# Altium PCB Carrier-Board-DAC.PcbDoc (part 2 of 2)
Units mm, origin at the board's own origin, x right, y up, seen from the top; angles counter-clockwise.
Board outline 95 x 270 mm, 4 copper layers (Top Layer, VCC, GND, Bottom Layer), stack 1.62 mm thick; 158 components, 91 nets, 469 pads, 603 vias.
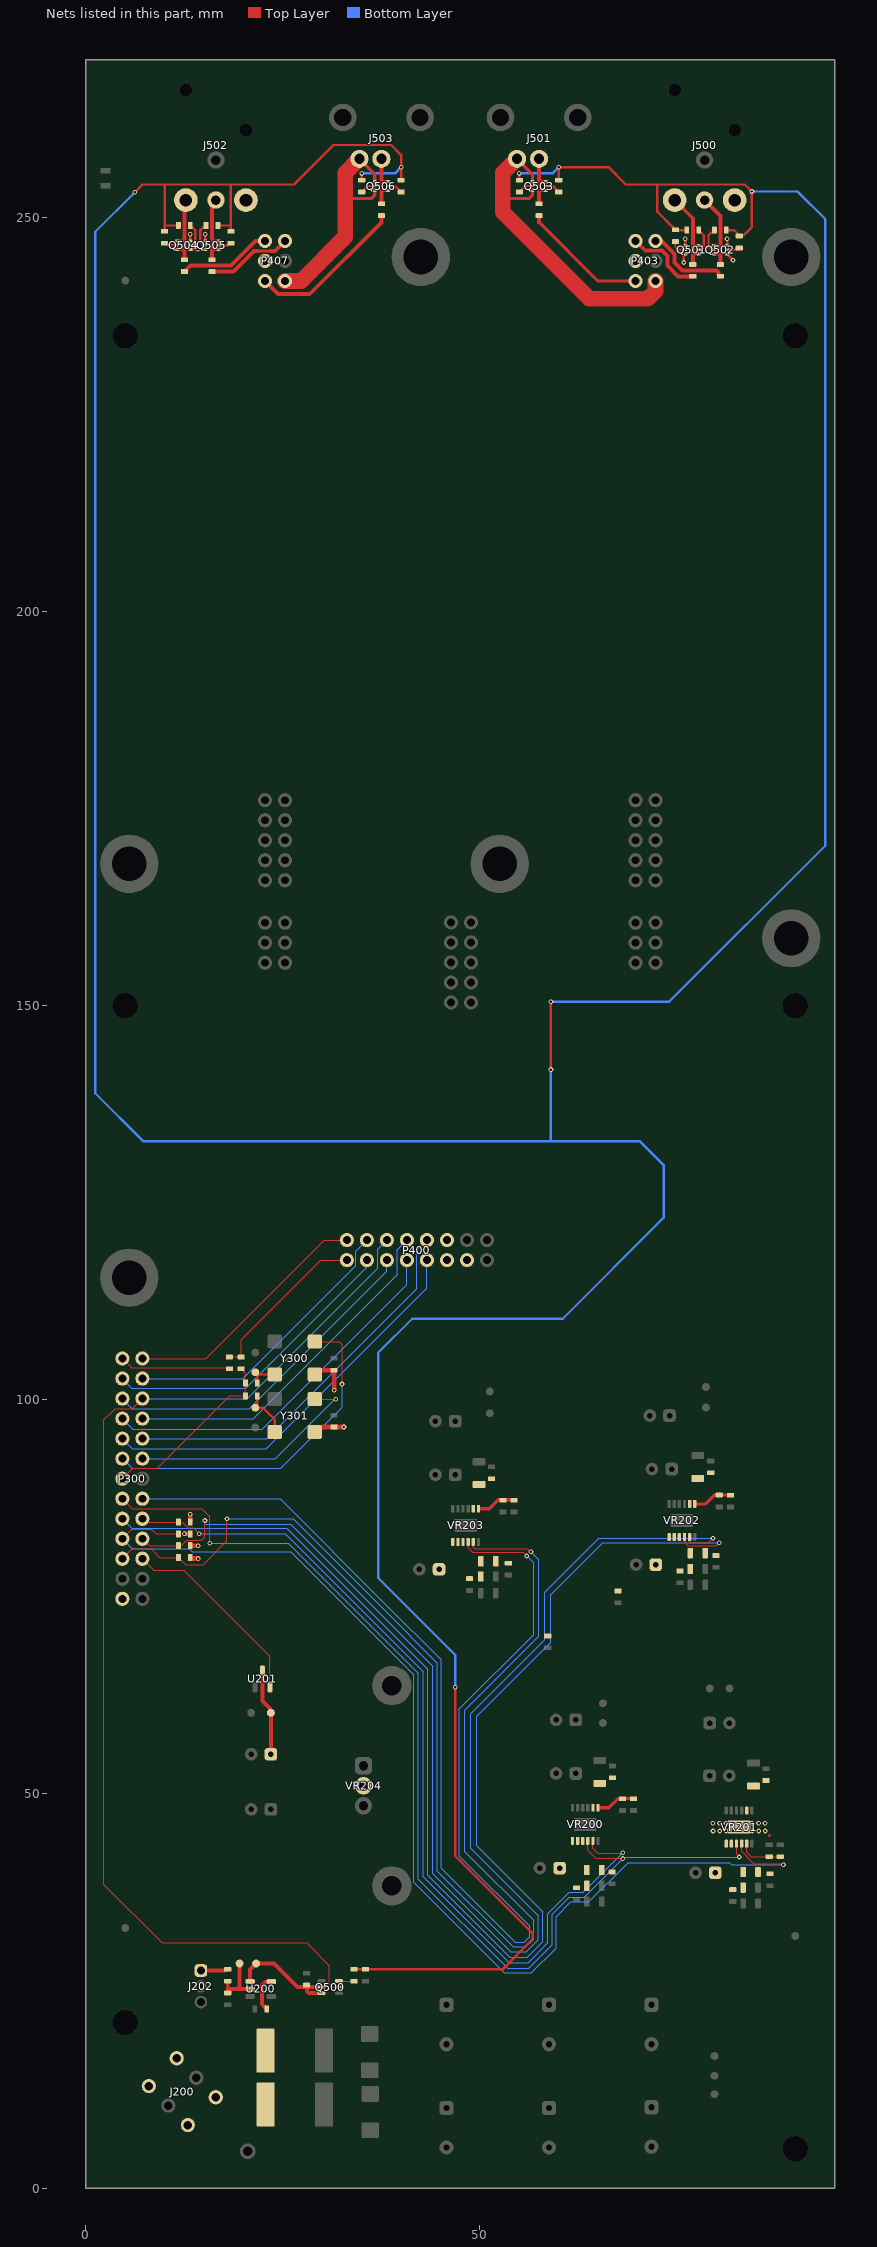
[diagram p4: the nets of this part, all layers, seen from the top]

## Via types
v1: diameter 0.6, hole 0.3, Top Layer to Bottom Layer, tented both sides, 433 vias
v2: diameter 0.6, hole 0.3, Top Layer to Bottom Layer, 170 vias

## Nets (pads, with @x,y where several pads share a name; then routed paths per layer and width w, separated by ;. In a path a pad name is that pad's centre, name@x,y a point inside that pad or via, vN(x,y) a via of type N, cw(c..) or ccw(c..) an arc to the next point about the centre after c; other vN are vias at no path point) (continued)
D+3.3V: C235.P C300.1 C301.1 P300.25 P400.11 P400.12 P400.13 R205.2 R212.2 R220.2 R226.2 TP212.1 U201.3 VR204.2 Y300.4 Y301.4 | length 24
  Top Layer w0.5: U201.3@22.4,65.65 22.4,61.8 23.379,60.821 23.379,60.39 TP212.1@23.475,60.295 C235.P@23.475,55.045
  Top Layer w0.6: v1(12.5,83) R212.2@13.25,83 ; R226.2@13.25,79.863 v1(14.25,79.863) ; R220.2@13.25,81.5 v1(14.25,81.5) ; R205.2@13.25,84.5 v1(13.25,85.5) ; Y301.4@29.04,95.905 29.64,96.505 29.936,96.505 29.991,96.56 C301.1@31.5,96.56 v1(32.74,96.56) ; Y300.4@29.048,103.215 29.599,103.765 C300.1@31.5,103.765 v1(31.5,101.22)
D\A\C\_\R\S\T\: P300.5 P400.5 | length 42.7
  Bottom Layer w0.15: P300.5@4.63,100.16 5.89,98.9 20.74,98.9 38.19,116.35 P400.5@38.19,117.73
DAC_BCLK: P300.2 P400.2 | length 32.2
  Top Layer w0.15: P300.2@7.17,105.24 15.24,105.24 30.27,120.27 P400.2@33.11,120.27
DAC_CS: P300.10 P400.10 | length 49.4
  Bottom Layer w0.15: P300.10@7.17,95.08 22.98,95.08 42,114.1 42,119 P400.10@43.27,120.27
DAC_LRCLK: P300.3 P400.3 | length 38.8
  Bottom Layer w0.15: P300.3@4.63,102.7 5.83,101.5 20.3,101.5 35.65,116.85 P400.3@35.65,117.73
DAC_MCLK: P300.1 R303.2 | length 14.1
  Top Layer w0.15: P300.1@4.63,105.24 5.81,104.06 R303.2@18.2,104.06
DAC_MISO: P300.9 P400.9 | length 51.2
  Bottom Layer w0.15: P300.9@4.63,95.08 5.91,93.8 22.9,93.8 43.27,114.17 P400.9@43.27,117.73
DAC_MUTE: P300.6 P400.6 Q500.2 | length 142.2
  Top Layer w0.15: P300.6@7.17,100.16 5.91,98.9 3.7,98.9 2.3,97.5 2.3,38.5 9.7,31.1 28,31.1 30.9,28.2 30.9,25.9 31.3,25.5 Q500.2@32.1,25.5
  Bottom Layer w0.15: P300.6@7.17,100.16 20.46,100.16 37,116.7 37,119.08 P400.6@38.19,120.27
DAC_SCL_SCLK: P300.7 P400.7 | length 47.3
  Bottom Layer w0.15: P300.7@4.63,97.62 5.95,96.3 22.4,96.3 40.73,114.63 P400.7@40.73,117.73
DAC_SDA_MOSI: P300.8 P400.8 | length 44.8
  Bottom Layer w0.15: P300.8@7.17,97.62 21.22,97.62 39.5,115.9 39.5,119.04 P400.8@40.73,120.27
DAC_SDATA: P300.4 P400.4 | length 36.8
  Bottom Layer w0.15: P300.4@7.17,102.7 19.9,102.7 34.235,117.035 34.235,118.855 P400.4@35.65,120.27
EXT_MUTE: C500.1 R501.1 R504.1 R505.1 R506.1 R507.1 R509.1 R510.1 R513.1 R514.1 R515.1 R516.1 R518.1 R519.1 | length 612
  Top Layer w0.3: v1(6.2,253.2) 7.2,254.2 10,254.2 ; R514.1@10,248.25 10,249 ; R513.1@11.75,249 10,249 ; R515.1@16.75,249 18.4,249 ; R516.1@18.4,248.25 18.4,249 ; R501.1@34,27.75 C500.1@35.5,27.75 52.85,27.75 56.7,31.6 56.7,32.3 46.875,42.125 v1(46.875,63.55) ; R518.1@35,254.75 v1(35,255.6) ; R519.1@40,254.75 40,257.95 38.75,259.2 31.4,259.2 26.4,254.2 18.4,254.2 ; R510.1@55,254.75 v1(55,255.6) ; v1(59,141.9) v1(59,150.5) ; R509.1@60,254.75 v1(60,256.4) 66.3,256.4 68.5,254.2 72.5,254.2 ; R504.1@74.8,248.4 R505.1@76.25,248.4 ; R504.1@74.8,248.45 74.65,248.45 74.5,248.6 74.5,248.75 72.5,250.75 72.5,254.2 ; R507.1@81.25,248.4 82.25,248.4 82.7,247.95 82.7,247.8 82.85,247.65 R506.1@82.9,247.65 83.046,247.796 83.496,247.796 84.5,248.8 v1(84.5,253.3) 83.6,254.2 72.5,254.2 ; 10,249 10,254.2 ; 10,254.2 18.4,254.2 ; 18.4,249 18.4,254.2
  Bottom Layer w0.3: v1(6.2,253.2) 1.2,248.2 1.2,138.9 7.3,132.8 59,132.8 ; v1(35,255.6) 39.2,255.6 v1(40,256.4) ; v1(46.875,63.55) 46.875,67.625 37.1,77.4 37.1,106 41.4,110.3 60.5,110.3 73.3,123.1 73.3,129.8 70.3,132.8 59,132.8 ; v1(55,255.6) 59.2,255.6 v1(60,256.4) ; v1(59,141.9) 59,132.8 ; v1(59,150.5) 74,150.5 93.8,170.3 93.8,249.8 90.3,253.3 v1(84.5,253.3)
NetC200_P: C200.P C202.2 C203.2 FB200.2 VR200.1 VR200.2 VR200.3
NetC203_1: C203.1 R204.2
NetC206_1: C206.1 R201.1 VR200.8
NetC213_P: C213.P C215.2 C216.2 FB201.2 VR201.1 VR201.2 VR201.13 | length 0.6
  Top Layer w0.3: 86.7,44.7 86.8,44.8
  Top Layer w0.4: VR201.13@82.875,45.8 VR201.13@83.2,46.125
  other v2: 79.575,45.3 80.425,45.3 81.25,45.3 82.075,45.3 82.9,45.3 83.725,45.3 84.55,45.3 85.375,45.3 86.2,45.3 79.55,46.3 80.4,46.3 81.225,46.3 82.05,46.3 82.875,46.3 83.7,46.3 84.525,46.3 85.35,46.3 86.175,46.3
NetC216_1: C216.1 R211.2
NetC219_1: C219.1 R210.1 VR201.8 | length 0.1
  Top Layer w0.15: VR201.8@83.85,47.922 VR201.8@83.9,47.972
NetC220_2: C220.2 U200.5 | length 4.8
  Top Layer w0.5: C220.2@22.94,22.72 22.94,22.87 22.89,22.92 22.74,22.92 22.34,23.32 22.34,25.74 22.76,26.16 23.49,26.16 U200.5@23.54,26.21
NetC221_P: C221.P C223.2 C224.2 FB202.2 R215.2 VR202.1 VR202.2 VR202.3
NetC224_1: C224.1 R219.2
NetC227_1: C227.1 R217.1 VR202.8
NetC228_P: C228.P C230.2 C231.2 FB203.2 R221.2 VR203.1 VR203.2 VR203.3
NetC231_1: C231.1 R225.2
NetC236_1: C236.1 R223.1 VR203.8
NetJ200_1: J200.1 R203.1
NetJ200_3: J200.3 R206.1
NetJ202_1: J202.1 R213.2 | length 3.5
  Top Layer w0.5: J202.1@14.59,27.6 17.7,27.6 17.85,27.75 R213.2@18,27.75
NetJ500_2: J500.2 Q501.1 Q501.3 R502.1 | length 10.6
  Top Layer w0.3: 77,245.363 Q501.1@77.75,245.363 ; 77,246.438 Q501.3@77.75,246.438
  Top Layer w0.5: J500.2@74.69,252.22 77,249.91 77,246.438 77,245.363 R502.1@77,244.05
NetJ500_3: J500.3 Q502.4 Q502.6 R503.1 | length 10.5
  Top Layer w0.3: Q502.6@79.752,245.363 80.503,245.363 ; Q502.4@79.752,246.438 80.503,246.438
  Top Layer w0.5: J500.3@78.5,252.22 80.503,250.218 80.503,246.438 80.503,245.363 R503.1@80.503,244.05
NetJ501_1: J501.1 Q503.1 Q503.3 R508.1 | length 7.4
  Top Layer w0.4: 57.5,253.462 Q503.1@58.35,253.463 ; 57.563,254.537 Q503.3@58.35,254.538
  Top Layer w0.5: R508.1@57.5,251.75 57.5,253.462 57.5,254.6 ; J501.1@57.5,257.45 57.5,254.6 ; 57.563,254.537 57.5,254.6
NetJ502_2: J502.2 Q504.4 Q504.6 R511.1 | length 9.6
  Top Layer w0.3: 12.462,245.963 12.5,246 ; J502.2@12.5,252.03 J502.2@12.69,252.22
  Top Layer w0.4: Q504.6@11.55,245.963 12.462,245.963 ; Q504.4@11.55,247.037 12.5,247.037
  Top Layer w0.5: R511.1@12.5,244.65 12.5,246 12.5,247.037 J502.2@12.5,252.03
NetJ502_3: J502.3 Q505.1 Q505.3 R512.1 | length 9.5
  Top Layer w0.3: 16,247.04 16.003,247.037 ; 16,251.206 16.5,251.706 J502.3@16.5,252.22
  Top Layer w0.4: 16,245.963 Q505.1@16.85,245.963 ; 16.003,247.037 Q505.3@16.85,247.037
  Top Layer w0.5: R512.1@16,244.65 16,245.963 16,247.04 16,251.206
NetJ503_1: J503.1 Q506.4 Q506.6 R517.1 | length 7.4
  Top Layer w0.4: 37.5,253.462 Q506.4@38.35,253.462 ; 37.563,254.537 Q506.6@38.35,254.537
  Top Layer w0.5: R517.1@37.5,251.75 37.5,253.462 37.5,254.6 ; J503.1@37.5,257.45 37.5,254.6 ; 37.563,254.537 37.5,254.6
NetP400_1: P400.1 R302.2 R303.1 | length 21.3
  Top Layer w0.15: R303.1@18.2,105.45 R302.2@19.7,105.45 19.7,107.6 29.83,117.73 P400.1@33.11,117.73
NetQ500_3: Q500.3 R501.2 | length 1.9
  Top Layer w0.15: Q500.3@32.1,26.25 R501.2@34,26.25
NetQ500_5: Q500.5 Q500.6 R500.1 TP208.1 U200.1 | length 14.9
  Top Layer w0.5: U200.1@20.84,26.21 20.84,27.74 TP208.1@21.6,28.5 23.86,28.5 26.86,25.5 R500.1@28.03,25.5 ; R500.1@28,25.75 28.03,25.72 R500.1@28.03,25.5 ; Q500.6@29.9,24.75 28.293,24.75 28.03,25.013 R500.1@28.03,25.5 ; Q500.5@29.9,25.5 R500.1@28.03,25.5
NetQ501_2: Q501.2 R505.2 | length 3.2
  Top Layer w0.3: R505.2@77.75,248.25 77.9,248.1 78.05,248.1 78.4,247.75 78.4,246.272 78.028,245.9 Q501.2@77.825,245.9 ; R505.2@77.75,248.45 R505.2@77.75,248.6
NetQ501_5: Q501.5 R504.2 | length 2
  Top Layer w0.3: R504.2@74.8,246.95 74.8,246.272 75.172,245.9 Q501.5@75.975,245.9
NetQ502_2: Q502.2 R506.2 | length 1.6
  Top Layer w0.3: Q502.2@81.525,245.9 82.6,245.9 82.85,246.15 R506.2@83,246.15
NetQ502_5: Q502.5 R507.2 | length 3.4
  Top Layer w0.3: Q502.5@79.575,245.9 79.4,245.9 79.362,245.938 79.334,245.938 79,246.272 79,247.75 79.35,248.1 79.5,248.1 79.65,248.25 R507.2@79.65,248.4 ; R507.2@79.752,248.45 R507.2@79.752,248.6
NetQ503_2: Q503.2 R509.2 | length 1.9
  Top Layer w0.3: Q503.2@58.425,254 59.25,254 R509.2@60,253.25
NetQ503_5: Q503.5 R510.2 | length 1.9
  Top Layer w0.3: R510.2@55,253.25 55.75,254 Q503.5@56.575,254
NetQ504_2: Q504.2 R513.2 | length 3.2
  Top Layer w0.3: R513.2@13.25,249 13.25,248.85 13.4,248.7 13.55,248.7 13.9,248.35 13.9,246.872 13.566,246.538 13.538,246.538 13.5,246.5 Q504.2@13.325,246.5
NetQ504_5: Q504.5 R514.2 | length 1.6
  Top Layer w0.3: R514.2@10,246.75 10.15,246.75 10.4,246.5 Q504.5@11.475,246.5
NetQ505_2: Q505.2 R516.2 | length 1.6
  Top Layer w0.3: Q505.2@17.025,246.5 18.1,246.5 18.35,246.75 R516.2@18.5,246.75
NetQ505_5: Q505.5 R515.2 | length 3.2
  Top Layer w0.3: Q505.5@15.075,246.5 14.9,246.5 14.862,246.538 14.834,246.538 14.5,246.872 14.5,248.35 14.85,248.7 15,248.7 15.15,248.85 R515.2@15.15,249
NetQ506_2: Q506.2 R518.2 | length 1.9
  Top Layer w0.3: R518.2@35,253.25 35.75,254 Q506.2@36.575,254
NetQ506_5: Q506.5 R519.2 | length 1.9
  Top Layer w0.3: Q506.5@38.425,254 39.25,254 R519.2@40,253.25
NetR200_1: R200.1 R202.2 VR200.7 | length 5
  Top Layer w0.4: VR200.7@64.986,48.259 66.359,48.259 67.505,49.405 R202.2@68.1,49.405 R200.1@69.5,49.405
NetR208_2: R208.2 R209.1 VR201.5 | length 5.6
  Top Layer w0.15: VR201.5@83.85,43.694 83.85,42.589 84.389,42.05 R208.2@86.7,42.05 R209.1@88.1,42.05
NetR213_1: R213.1 R214.2 TP207.1 U200.2 | length 8.1
  Top Layer w0.5: R213.1@18,26.25 R214.2@18,24.75 18.15,24.75 18.2,24.8 18.2,25.26 19.52,25.26 ; TP207.1@19.5,28.5 19.5,25.28 19.52,25.26 ; U200.2@20.84,25.26 19.52,25.26
NetR216_1: R216.1 R218.2 VR202.7 | length 5
  Top Layer w0.4: VR202.7@77.25,86.806 78.622,86.806 79.769,87.952 80.364,87.952 R216.1@81.764,87.952
NetR222_1: R222.1 R224.2 VR203.7 | length 5
  Top Layer w0.4: VR203.7@49.807,86.19 51.179,86.19 52.326,87.337 52.921,87.337 R222.1@54.321,87.337
NetR300_1: R300.1 TP300.1 Y300.3 | length 4
  Top Layer w0.3: R300.1@21.75,102.16 21.75,103.061 21.5,103.311 TP300.1@21.5,103.5 21.689,103.5 21.974,103.215 Y300.3@23.968,103.215
NetR301_1: R301.1 TP302.1 Y301.3 | length 6
  Top Layer w0.3: R301.1@21.75,100.5 21.75,99.439 21.634,99.323 21.634,99.116 21.75,99 22.46,99 23.96,97.5 Y301.3@23.96,95.905
PS_A12V_EN: P300.15 VR200.4 VR201.3 | length 136.2
  Top Layer w0.15: P300.15@4.63,87.46 5.89,86.2 14.7,86.2 15.7,85.2 v1(15.7,81.8) ; VR200.4@63.686,44.048 63.686,42.86 64.697,41.85 68.05,41.85 v1(68.1,41.8) ; VR201.3@82.55,43.694 82.55,42.35 v1(82.9,42)
  Bottom Layer w0.15: v1(15.7,81.8) 25.7,81.8 35.4,72.1 42.2,65.3 42.2,39.2 53.5,27.9 56.2,27.9 59.16,30.86 59.16,34.742 61.318,36.9 63.2,36.9 v1(68.1,41.8) 68.213,41.8 68.413,42 v1(82.9,42)
PS_A+3.3V_EN: P300.16 VR203.4 | length 153.1
  Top Layer w0.15: VR203.4@48.507,81.979 48.507,81.241 49.089,80.659 55.47,80.659 v1(55.935,80.194) v1@55.935,80.265
  Bottom Layer w0.15: P300.16@7.17,87.46 24.64,87.46 38,74.1 45.1,67 45.1,40.6 54.5,31.2 55.6,31.2 56.3,31.9 56.3,33.2 47.4,42.1 47.4,60.8 56.8,70.2 56.8,79.329 v1(55.935,80.194)
PS_A+3.3V_PG: P300.21 R226.1 VR203.5 | length 161.3
  Top Layer w0.15: P300.21@4.63,79.84 5.89,81.1 8.3,81.1 9.4,80 R226.1@11.75,80 11.75,79.863 11.975,79.638 12.112,79.638 12.65,79.1 14.9,79.1 17.9,82.1 v1(17.9,84.92) ; VR203.5@49.157,81.979 49.157,81.309 49.366,81.1 56.019,81.1 56.395,80.724 v1(56.465,80.724)
  Bottom Layer w0.15: v1(17.9,84.92) 26.28,84.92 37.58,73.62 44.6,66.6 44.6,40.2 54.2,30.6 55.8,30.6 56.8,31.6 56.8,34 48.1,42.7 48.1,60.65 57.45,70 57.45,79.74 v1(56.465,80.724)
PS_A+5V_EN: P300.17 VR202.4 | length 173.3
  Top Layer w0.15: VR202.4@75.95,82.595 75.95,81.939 76.389,81.5 79.994,81.5 v1(80.364,81.869)
  Bottom Layer w0.15: P300.17@4.63,84.92 5.85,83.7 25.5,83.7 36.35,72.85 43.4,65.8 43.4,39.7 53.8,29.3 56,29.3 57.95,31.25 57.95,35.05 49.6,43.4 49.6,59.839 59,69.239 59,75.3 65.569,81.869 v1(80.364,81.869)
PS_A+5V_PG: P300.20 R220.1 VR202.5 | length 171.6
  Top Layer w0.15: P300.20@7.17,82.38 8.05,81.5 R220.1@11.75,81.5 11.837,81.587 12.187,81.587 12.8,82.2 14.72,82.2 15.1,82.58 v1(15.1,84.7) ; VR202.5@76.6,82.595 76.636,82.558 76.636,81.964 76.73,81.869 78.993,81.869 v1(79.564,82.44)
  Bottom Layer w0.15: v1(15.1,84.7) 15.1,84.3 15.2,84.2 26,84.2 36.85,73.35 44,66.2 44,39.9 53.9,30 55.9,30 57.4,31.5 57.4,34.539 48.85,43.089 48.85,60.15 58.25,69.55 58.25,75.611 65.079,82.44 v1(79.564,82.44)
PS_A+12V_PG: P300.18 R205.1 VR200.5 | length 112.4
  Top Layer w0.15: P300.18@7.17,84.92 7.616,84.92 8.036,84.5 R205.1@11.75,84.5 12.226,84.5 12.926,83.8 13.6,83.8 v1(14.4,83) ; VR200.5@64.336,44.048 64.336,43.129 64.966,42.5 68.05,42.5 v1(68.1,42.55)
  Bottom Layer w0.15: v1(14.4,83) 25.3,83 42.8,65.5 42.8,39.5 53.7,28.6 56.1,28.6 58.6,31.1 58.6,34.832 61.318,37.55 63.1,37.55 v1(68.1,42.55)
PS_A-12V_PG: P300.19 R212.1 VR201.4 | length 145.2
  Top Layer w0.15: P300.19@4.63,82.38 5.85,83.6 8.3,83.6 8.9,83 R212.1@11.75,83 ; VR201.4@83.2,43.694 83.2,42.706 84.756,41.15 88.356,41.15 v1(88.5,41.006)
  Bottom Layer w0.15: P300.19@4.63,82.38 5.91,81.1 13.1,81.1 13.5,80.7 26,80.7 41.6,65.1 41.6,38.8 53.1,27.3 56.5,27.3 59.65,30.45 59.65,34.45 61.5,36.3 63.811,36.3 68.811,41.3 81.65,41.3 81.944,41.006 v1(88.5,41.006)
PS_D+3.3V_PG: P300.22 U201.2 | length 25.2
  Top Layer w0.15: P300.22@7.17,79.84 8.61,78.4 12.4,78.4 23.35,67.45 U201.2@23.35,63.55
RCA1_GND: J501.2 P403.6 Q503.4 Q503.6 | length 41.4
  Top Layer w0.4: 52.9,252.4 56.2,252.4 56.65,252.85 Q503.6@56.65,253.463 ; J501.2@54.7,257.45 56.65,255.5 Q503.4@56.65,254.538
  Top Layer w2: J501.2@54.7,257.45 52.9,255.65 52.9,252.4 52.9,250.7 63.9,239.7 71.3,239.7 72.27,240.67 P403.6@72.27,241.96
RCA1_S: P403.5 R508.2 | length 16.2
  Top Layer w0.4: 57.5,249.4 64.94,241.96 P403.5@69.73,241.96
  Top Layer w0.5: 57.5,249.4 R508.2@57.5,250.25
RCA2_GND: J503.2 P407.6 Q506.1 Q506.3 | length 28.9
  Top Layer w0.4: 32.9,252.4 36.2,252.4 36.65,252.85 Q506.3@36.65,253.462 ; J503.2@34.7,257.45 36.65,255.5 Q506.1@36.65,254.537
  Top Layer w2: P407.6@25.27,241.96 27.31,241.96 32.9,247.55 32.9,252.4 32.9,255.65 J503.2@34.7,257.45
RCA2_S: P407.5 R517.2 | length 20.1
  Top Layer w0.5: P407.5@22.73,241.96 24.39,240.3 28.4,240.3 37.5,249.4 R517.2@37.5,250.25
REF_CLK: P300.13 R300.2 R301.2 R302.1 | length 23.7
  Top Layer w0.15: P300.13@4.63,90 5.93,91.3 9.073,91.3 18.273,100.5 R301.2@20.25,100.5 R300.2@20.25,102.16 20.25,103.4 20.062,103.588 20.062,103.725 19.837,103.95 R302.1@19.7,103.95
REF_CLK_EN_1: P300.11 Y300.1 | length 43.2
  Top Layer w0.15: Y300.1@29.048,107.405 32.16,107.405 32.5,107.065 v1(32.5,102)
  Bottom Layer w0.15: P300.11@4.63,92.54 5.87,91.3 24.75,91.3 32.5,99.05 v1(32.5,102)
REF_CLK_EN_2: P300.12 Y301.1 | length 30.3
  Top Layer w0.15: Y301.1@29.04,100.095 v1(31.7,100.095)
  Bottom Layer w0.15: P300.12@7.17,92.54 24.04,92.54 31.595,100.095 v1(31.7,100.095)
XLR1_GND: J500.1 P403.3 Q501.4 Q501.6 Q502.1 Q502.3 | length 3.9
  Top Layer w0.3: v1(75.863,244.3) 75.863,245.175 Q501.6@76.05,245.363 ; Q501.4@76.05,246.438 v1(76.05,247.3) ; Q502.1@81.35,245.363 v1@82.1,244.613 ; Q502.3@81.35,246.438 v1(81.35,247.3)
  other v1: 82.1,244.6
XLR1_N: P403.2 R503.2 | length 10.7
  Top Layer w0.5: P403.2@72.5,246.95 73.122,246.95 74.69,245.382 74.69,244.31 75.7,243.3 80,243.3 80.254,243.046 80.254,242.7 80.404,242.55 R503.2@80.5,242.55
XLR1_P: P403.1 R502.2 | length 9.8
  Top Layer w0.4: 71.7,245.8 71.71,245.79 72.788,245.79 72.798,245.8 72.8,245.8
  Top Layer w0.5: P403.1@69.73,247.04 70.97,245.8 71.7,245.8 ; 72.8,245.8 73.1,245.8 73.8,245.1 73.8,243.9 75.15,242.55 R502.2@77,242.55
XLR2_GND: J502.1 P407.3 Q504.1 Q504.3 Q505.4 Q505.6 | length 3.6
  Top Layer w0.3: Q504.1@13.25,245.963 Q505.6@15.15,245.963 ; Q504.3@13.25,247.037 v1(13.25,247.9) ; Q505.4@15.15,247.037 v1(15.15,247.9)
  other v1: 14.2,246
XLR2_N: P407.2 R512.2 | length 10.9
  Top Layer w0.4: 21.9,245.75 23.4,245.75
  Top Layer w0.5: R512.2@16,243.15 18.75,243.15 21.35,245.75 21.9,245.75 ; 23.4,245.75 23.98,245.75 P407.2@25.27,247.04
XLR2_P: P407.1 R511.2 | length 11.9
  Top Layer w0.5: R511.2@12.5,243.15 12.65,243.15 12.8,243.3 12.8,243.45 13.25,243.9 18.4,243.9 21.54,247.04 P407.1@22.73,247.04
pads on no net: FD100. FD101. FD102. J202.3 J500. J501.0 J502. J503.0 P300.14 P300.23 P300.24 U200.4 VR201.7

## Polygon pours and split planes (outlines as drawn)
AGND on Top Layer "Top Layer-AGND" (solid, remove dead copper, pour order 2): 0,270 95,270 95,0 0,0
CHGND on Top Layer "Top Layer-CHGND" (solid, remove dead copper, pour order 14): 0,270 95,270 95,255 0,255
no net on Top Layer "Top Layer-No Net" (solid, pour order 8): -10.54,233.6
no net on Top Layer "Top Layer-No Net 1" (solid, pour order 6): -10.4,233.738
CHGND on Bottom Layer "Bottom Layer-CHGND" (solid, remove dead copper, pour order 16): 95,270 95,255 0,255 0,270
AGND on Bottom Layer "Bottom Layer-AGND" (solid, remove dead copper, pour order 4): 0,270 95,270 95,0 0,0
D+3.3V on VCC (split plane): 72.248,129.396 72.248,123.604 59.896,111.252 41.004,111.252 40.939,111.244 40.896,111.226 40.878,111.218 40.856,111.201 40.826,111.178 36.122,106.474 36.082,106.422 36.056,106.361 36.048,106.296 36.048,76.9 36.056,76.835 36.082,76.774 36.122,76.722 45.548,67.296 45.548,50.052 29.204,50.052 27.578,51.678 27.526,51.718 27.465,51.744 27.4,51.752 17.699,51.752 17.666,51.748 17.634,51.752 0.51,51.752 0.51,131.748 69.896,131.748
+15V on VCC (split plane): 82.148,75.052 66.4,75.052 66.335,75.044 66.274,75.018 66.222,74.978 55.422,64.178 55.382,64.126 55.356,64.065 55.348,64 55.348,50.8 55.356,50.735 55.382,50.674 55.422,50.622 60.043,46 60.096,45.96 60.156,45.935 60.222,45.926 69.078,45.926 69.144,45.935 69.204,45.96 69.257,46 70.604,47.348 71.891,47.348 75.048,44.191 75.048,38.5 75.056,38.435 75.082,38.374 75.122,38.322 82.566,30.877 82.566,16.323 80.496,14.252 14,14.252 13.935,14.244 13.874,14.218 13.844,14.196 13.822,14.178 0.51,0.867 0.51,51.248 17.634,51.248 17.666,51.252 17.699,51.248 27.296,51.248 28.922,49.622 28.944,49.604 28.974,49.582 29.035,49.556 29.1,49.548 45.548,49.548 45.548,41.8 45.556,41.735 45.582,41.674 45.622,41.622 55.122,32.122 55.174,32.082 55.235,32.056 55.3,32.048 55.365,32.056 55.426,32.082 55.478,32.122 55.518,32.174 55.544,32.235 55.552,32.3 55.544,32.365 55.518,32.426 55.478,32.478 46.052,41.904 46.052,49.8 46.052,67.4 46.044,67.465 46.018,67.526 45.978,67.578 36.552,77.004 36.552,83.948 82.148,83.948
A-12V on VCC (split plane): 23.748,180.104 20.322,176.678 20.282,176.626 20.256,176.565 20.248,176.5 20.248,170.782 20.256,170.716 20.282,170.656 20.322,170.603 22.643,168.282 22.696,168.242 22.756,168.216 22.822,168.208 25.166,168.208 26.748,166.626 26.748,162.252 0.51,162.252 0.51,254.498 23.748,254.498
A+3.3V on VCC (split plane): 42.248,157.896 42.248,153 42.256,152.935 42.282,152.874 42.322,152.822 42.374,152.782 42.435,152.756 42.5,152.748 48.896,152.748 57.322,144.322 57.344,144.304 57.374,144.282 57.435,144.256 57.5,144.248 71.896,144.248 81.748,134.396 81.748,116.304 62.722,97.278 62.682,97.226 62.656,97.165 62.648,97.1 62.648,84.452 36.552,84.452 36.552,106.191 41.109,110.748 60,110.748 60.065,110.756 60.126,110.782 60.178,110.822 72.678,123.322 72.718,123.374 72.744,123.435 72.752,123.5 72.752,129.5 72.744,129.565 72.726,129.608 72.718,129.626 72.701,129.649 72.678,129.678 70.178,132.178 70.126,132.218 70.065,132.244 70,132.252 0.51,132.252 0.51,161.748 38.396,161.748
CHGND on VCC (split plane): 94.49,255.502 69.208,255.502 64.355,260.355 64.279,260.418 64.192,260.464 64.098,260.493 64,260.502 31,260.502 30.902,260.493 30.808,260.464 30.721,260.418 30.645,260.355 25.792,255.502 0.51,255.502 0.51,269.49 94.49,269.49
A+12V on VCC (split plane): 82.148,66.552 77.2,66.552 77.135,66.544 77.074,66.518 77.022,66.478 70.322,59.778 70.282,59.726 70.256,59.665 70.248,59.6 70.248,47.704 68.974,46.43 60.326,46.43 55.852,50.904 55.852,63.896 66.504,74.548 82.148,74.548
-15V on VCC (split plane): 94.49,0.51 0.867,0.51 14.104,13.748 80.6,13.748 80.665,13.756 80.726,13.782 80.778,13.822 82.997,16.04 83.014,16.063 83.037,16.092 83.062,16.153 83.071,16.218 83.071,30.982 83.062,31.047 83.044,31.09 83.037,31.108 83.019,31.13 82.997,31.16 75.552,38.604 75.552,44.191 76.909,45.548 94.49,45.548
A-12V on VCC (split plane): 94.49,46.052 76.804,46.052 76.739,46.044 76.696,46.026 76.678,46.018 76.656,46.001 76.626,45.978 75.3,44.652 72.174,47.778 72.122,47.818 72.061,47.844 71.996,47.852 70.752,47.852 70.752,59.496 77.304,66.048 94.49,66.048
A+12V on VCC (split plane): 68.645,254.645 68.721,254.582 68.808,254.536 68.902,254.507 69,254.498 70.748,254.498 70.748,180 70.756,179.935 70.782,179.874 70.822,179.822 74.248,176.396 74.248,170.886 72.074,168.712 69.73,168.712 69.665,168.704 69.604,168.678 69.552,168.638 67.822,166.908 67.782,166.856 67.756,166.795 67.748,166.73 67.748,162.282 61.95,162.282 61.885,162.274 61.824,162.249 61.772,162.209 57.816,158.252 42.604,158.252 38.678,162.178 38.626,162.218 38.565,162.244 38.5,162.252 27.252,162.252 27.252,166.73 27.244,166.795 27.218,166.856 27.178,166.908 25.448,168.638 25.396,168.678 25.335,168.704 25.27,168.712 22.926,168.712 20.752,170.886 20.752,176.396 24.178,179.822 24.218,179.874 24.244,179.935 24.252,180 24.252,254.498 26,254.498 26.098,254.507 26.192,254.536 26.279,254.582 26.355,254.645 31.208,259.498 46.998,259.498 46.998,165 47.007,164.902 47.036,164.808 47.082,164.721 47.145,164.645 47.221,164.582 47.308,164.536 47.402,164.507 47.5,164.498 47.598,164.507 47.692,164.536 47.779,164.582 47.855,164.645 47.918,164.721 47.964,164.808 47.993,164.902 48.002,165 48.002,259.498 63.792,259.498
A+5V on VCC (split plane): 94.49,66.552 82.652,66.552 82.652,74.8 82.652,84.2 82.644,84.265 82.618,84.326 82.578,84.378 82.526,84.418 82.465,84.444 82.4,84.452 63.152,84.452 63.152,96.996 82.178,116.022 82.218,116.074 82.244,116.135 82.252,116.2 82.252,134.5 82.244,134.565 82.226,134.608 82.218,134.626 82.201,134.649 82.178,134.678 72.178,144.678 72.126,144.718 72.065,144.744 72,144.752 57.604,144.752 49.178,153.178 49.126,153.218 49.065,153.244 49,153.252 42.752,153.252 42.752,157.748 57.92,157.748 57.985,157.756 58.046,157.782 58.098,157.822 62.055,161.778 94.49,161.778
A-12V on VCC (split plane): 94.49,162.282 68.252,162.282 68.252,166.626 69.834,168.208 72.178,168.208 72.244,168.216 72.304,168.242 72.357,168.282 74.678,170.603 74.718,170.656 74.744,170.716 74.752,170.782 74.752,176.5 74.744,176.565 74.718,176.626 74.678,176.678 71.252,180.104 71.252,254.498 94.49,254.498
AGND on GND (split plane): 162 vertices, not listed, extent 0.51,0.51 94.49,259.498
CHGND on GND (split plane): 94.49,255.502 69.208,255.502 64.355,260.355 64.279,260.418 64.192,260.464 64.098,260.493 64,260.502 31,260.502 30.902,260.493 30.808,260.464 30.721,260.418 30.645,260.355 25.792,255.502 0.51,255.502 0.51,269.49 94.49,269.49
XLR1_GND on GND (split plane): 68.902,254.507 69,254.498 89.748,254.498 89.748,252.704 84.722,247.678 84.682,247.626 84.656,247.565 84.648,247.5 84.648,244.404 82.996,242.752 68.652,242.752 68.652,254.296 68.873,254.516
XLR2_GND on GND (split plane): 23.748,242.752 10.604,242.752 5.252,248.104 5.252,254.498 23.748,254.498

## Keep-outs
Keep-Out Layer:
  circle w0.1: c5,150 r3
  circle w0.1: c90,150 r3
  circle w0.1: c5,235 r3
  circle w0.1: c5,21 r3
  circle w0.1: c90,5 r3
  circle w0.1: c90,235 r3
  lines w0.5: 0,21 2,21 ; 0,132 70,132 72.5,129.5 72.5,123.5 60,111 41,111 36.3,106.3 36.3,76.9 45.8,67.4 45.8,41.8 55.3,32.3 ; 8,21 37.5,21 42.5,26 60,26 ; 0,0 95,0 95,270 0,270 0,0
  lines w0.6: 1,255 4,255
  lines w1: 0,255 1,255 ; 4,255 26,255 31,260 64,260 69,255 95,255 ; 47.5,165 47.5,260

## Other copper
Top Layer:
  rectangle net AGND: 71.264,92.297 79.564,94.447
  rectangle net AGND: 76.364,91.647 79.564,93.947
  rectangle net AGND: 68.164,83.4 73.064,91.647
  rectangle net AGND: 40.721,82.785 45.621,91.032
  rectangle net AGND: 48.921,91.032 52.121,93.332
  rectangle net AGND: 43.821,91.682 52.121,93.832
  rectangle net AGND: 1.5,251.5 3.5,254.4
  rectangle net CHGND: 1.5,255.6 3.5,258.5
  rectangle net AGND: 34.5,11 40,16
  rectangle net AGND: 69,75.5 70.8,80
  rectangle net AGND: 75.414,47.347 80.314,52.7
  rectangle net AGND: 83.614,52.747 86.814,55.047
  rectangle net AGND: 78.514,53.397 86.814,55.547
  rectangle net A+12V: 60.706,58.7 64.181,66.9
  rectangle net AGND: 59,53.75 67.3,55.9
  rectangle net AGND: 64.1,53.1 67.3,55.4
  rectangle net AGND: 55.9,47.3 60.8,53.1
  rectangle net A+12V: 56.986,65.2 61.3,69
  rectangle net +15V: 45.067,73.146 50.542,76.246
  rectangle net AGND: 51.657,74.48 54.357,78.28
  rectangle net NetC231_1: 51.657,78.805 54.357,80.28
  rectangle net AGND: 43.507,82.785 52.807,85.385
  rectangle net NetC221_P: 66.45,75.45 68.7,81.5
  rectangle net NetC221_P: 66.45,80.312 71.4,82.44
  rectangle net +15V: 71.1,75 77.1,77.326
  rectangle net AGND: 78.216,75.434 80.916,79.234
  rectangle net NetC224_1: 78.216,79.759 80.916,81.234
  rectangle net NetC203_1: 65.093,39.562 67.793,41.037
  rectangle net NetC216_1: 84.9,39.325 87.6,40.8
  rectangle net AGND: 65.093,35.237 67.793,39.037
  rectangle net +15V: 60.593,32.337 63.918,37.037
  rectangle net -15V: 80.4,32.1 83.725,36.8
  rectangle net AGND: 84.9,35 87.6,38.8
  rectangle net AGND: 70.95,83.4 80.25,86
  rectangle net AGND: 55.8,39.206 58.7,47.406
  rectangle net AGND: 75.6,38.9 78.5,47.75
  rectangle net AGND: 58.6,44.853 67.986,47.453
  rectangle net NetC213_P: 78.7,44.5 87.5,47.1
  region net NetC221_P: 75.544,83.082 75.544,79.637 76.265,79.637 76.365,79.537 76.365,78.287 76.115,78.037 71.993,78.037 71.315,78.715 71.315,82.612 71.784,83.082
  region net NetC227_1: 76.389,91.047 79.564,91.047 79.564,88.801 78.51,87.747 77.064,87.747 76.814,87.497 76.814,86.297 76.389,86.297
  region net A+5V: 73.264,92.132 75.364,92.132 75.364,88.597 74.864,88.097 74.864,86.247 73.264,86.247
  pour cut-out: 43.621,94.032 52.316,94.032 52.326,94.022 52.326,82.963 52.357,82.932 51.033,82.932 49.933,81.832 44.121,81.832 44.121,78.172 44.064,78.115 43.221,78.115 43.221,90.632 43.621,91.032
  region net NetC228_P: 48.05,82.482 48.05,79.037 48.771,79.037 48.871,78.937 48.871,77.687 48.621,77.437 44.499,77.437 43.821,78.115 43.821,82.012 44.29,82.482
  region net A+3.3V: 45.821,91.517 47.921,91.517 47.921,87.982 47.421,87.482 47.421,85.632 45.821,85.632
  region net NetC236_1: 48.946,90.432 52.121,90.432 52.121,88.186 51.067,87.132 49.621,87.132 49.371,86.882 49.371,85.682 48.946,85.682
  region net -15V: 40,10.5 34.5,10.5 31.475,13.525 27,13.525 27,6.5 40,6.5
  region net +15V: 40,16.5 40,20.5 38,20.5 27,20.5 27,14.5 32.525,14.5 34.5,16.475
  region net NetJ200_3: 26,13.5 15.975,13.5 10.464,7.99 15.727,2.727 19.5,6.5 26,6.5
  region net NetJ200_1: 8,10 13.5,15.5 17.5,15.5 18.5,14.5 26,14.5 26,20.5 10.5,20.5 4,14
  region net A+12V: 45,159.5 42.5,162 42.5,164 58,164 59,163
  region net A+12V: 85,66.7 93.5,66.7 93.5,132 73.5,152 70,152 59,163 45,163 45,159.5 53,159.5 85,127.5
  region net NetC219_1: 84.1,47.347 84.1,48.5 84.225,48.625 85.726,48.625 86.814,49.712 86.814,52.147 83.614,52.147 83.614,49.308 83.75,49.172 83.75,48.45 83.65,48.35 83.65,47.347
  region net A+3.3V: 45.842,95.163 52.342,95.163 52.342,98.563 52.342,99.313 45.842,99.313
  pour cut-out: 78.314,55.747 87.009,55.747 87.019,55.737 87.019,44.678 87.05,44.647 85.726,44.647 84.626,43.547 78.814,43.547 78.814,39.887 78.757,39.83 77.914,39.83 77.914,52.347 78.314,52.747
  pour cut-out: 58.8,56.1 67.495,56.1 67.505,56.09 67.505,45.031 67.536,45 66.213,45 65.113,43.9 59.3,43.9 59.3,40.24 59.243,40.184 58.4,40.184 58.4,52.7 58.8,53.1
  region net A-12V: 80.514,53.232 82.614,53.232 82.614,49.697 82.114,49.197 82.114,47.347 80.514,47.347
  region net NetC219_1: 83.85,52.147 86.814,52.147 86.814,49.901 83.85,49.901
  region net NetC206_1: 64.125,52.5 67.3,52.5 67.3,50.254 66.246,49.2 64.8,49.2 64.55,48.95 64.55,47.75 64.125,47.75
  region net A+12V: 61,53.585 63.1,53.585 63.1,50.05 62.6,49.55 62.6,47.7 61,47.7
  region net A+12V: 72.408,62 77.108,66.7 86.5,66.7 86.5,78.3 86.6,78.4 85.925,78.4 82.325,74.8 66.4,74.8 56.986,65.386 56.986,62
  region net A+5V: 73.364,95.888 79.864,95.888 79.864,99.288 79.864,100.038 73.364,100.038
  region net NetC228_P: 44.29,82.482 40.782,82.482 38.3,80 38.3,75.55 44.45,69.4 59.65,69.4 59.65,72.45 59.3,72.8 44.8,72.8 41,76.6 41,79.2 41.7,79.9 44.29,79.9
  region net NetC228_P: 50.507,80.194 50.507,76.946 50.357,76.946 48.316,76.946 47.421,77.842 47.421,80.194
  region net AGND: 84.4,53.1
  region net NetC221_P: 77.066,81.234 77.066,77.9 75.062,77.9 74.741,78.222 74.741,81.234
  region net NetC200_P: 63.943,39.687 63.943,37.703 63.793,37.703 61.752,37.703 61.618,37.837 61.618,39.687
  region: 84.9,35.5
  region net NetC213_P: 83.75,39.45 83.75,37.466 83.6,37.466 81.559,37.466 81.425,37.6 81.425,39.45
  region net NetC200_P: 63.23,44.55 63.23,41.106 63.95,41.106 64.05,41.006 64.05,39.756 63.8,39.506 59.678,39.506 59,40.184 59,44.08 59.47,44.55
  region net NetC213_P: 82.1,44.7 82.1,41.5 82.8,40.8 83.65,40.8 83.75,40.7 83.75,39.45 83.5,39.2 79.378,39.2 78.7,39.878 78.7,44.7
Bottom Layer:
  rectangle net NetC213_P: 78.7,44.5 87.5,47.1
  region net A-12V: 44.7,148 44.7,157.5 35.2,167 21.7,167 21.7,162.5 32.7,162.5 39.7,155.5 39.7,148
  region net A-12V: 50.5,148 50.5,157.5 60,167 73.5,167 73.5,162.5 62.5,162.5 55.5,155.5 55.5,148
  region net A-12V: 85,61.5 93.5,61.5 93.5,132 76.5,149 39.7,149 39.7,142.5 70,142.5 85,127.5
  pour cut-out: 47,260.5 48,260.5 48,164.5 47,164.5
VCC (plane layer: these items are gaps in the copper):
  lines w0.5: -0.5,162 38.5,162 42.5,158 ; 0,0 14,14 80.6,14 82.818,16.218 82.818,30.982 75.3,38.5 75.3,44.296 ; 0,51.5 17.634,51.5 ; 0.065,132 70,132 72.5,129.5 72.5,123.5 60,111 57.1,111 41.004,111 36.3,106.296 36.3,76.9 45.8,67.4 45.8,49.8 ; 17.699,51.5 27.4,51.5 29.1,49.8 45.8,49.8 ; 24,255 24,180 20.5,176.5 20.5,170.782 22.822,168.46 25.27,168.46 27,166.73 27,162.03 ; 36.3,84.2 62.9,84.2 ; 55.3,32.3 45.8,41.8 45.8,49.8 ; 68,162.03 68,166.73 69.73,168.46 72.178,168.46 74.5,170.782 74.5,176.5 71,180 71,255 ; 82.4,66.3 82.4,74.8 ; 95,45.8 76.804,45.8 75.3,44.296 ; 95,66.3 77.2,66.3 70.5,59.6 70.5,47.6 ; 95,162.03 61.95,162.03 57.92,158 42.5,158 ; 42.5,158 42.5,153 49,153 57.5,144.5 72,144.5 82,134.5 82,116.2 62.9,97.1 62.9,84.2 ; 62.9,84.2 82.4,84.2 82.4,74.8 ; 70.5,47.6 71.996,47.6 75.3,44.296 ; 70.5,47.6 69.078,46.178 61,46.178 60.222,46.178 55.6,50.8 55.6,64 66.4,74.8 82.4,74.8
  lines w1: 0,255 26,255 31,260 64,260 69,255 95,255 ; 47.5,165 47.5,260
GND (plane layer: these items are gaps in the copper):
  lines w0.5: 0,21 37.6,21 42.5,25.9 43,25.9 60.036,25.9 ; 0,132 70,132 72.5,129.5 72.5,123.5 60,111 41,111 36.3,106.3 36.3,76.9 45.8,67.4 45.8,41.8 55.3,32.3 ; 5,255 5,248 10.5,242.5 24,242.5 24,255 ; 69,255 68.4,254.4 68.4,242.5 83.1,242.5 84.9,244.3 84.9,247.5 90,252.6 90,255
  lines w1: 0,255 26,255 31,260 64,260 69,255 95,255 ; 47.5,162 47.5,260

## Silkscreen, mask and mechanical layers (free items; w line width, h text height)
Top Overlay:
  lines w0.1: 93,162 ccw(c93,162) 93,162
  lines w0.16: 19.278,2.413 21.778,2.413 ; 19.778,1.913 21.278,1.913 ; 20.278,1.413 20.778,1.413 ; 20.528,2.413 20.528,3.163
  lines w0.5: 2,113 2,112 3,112 ; 2,118.5 2,147.5 ; 2,152.511 2,162 86.5,162 ; 2,165.5 2,164.5 3,164.5 ; 2,170.5 2,232.5 ; 2,237.5 2,248.5 8.8,248.5 ; 8,112 93,112 ; 8.5,164.5 46,164.5 46,242.5 ; 19.4,248.5 40,248.5 ; 45,248.5 46,248.5 46,247.5 ; 49,165.5 49,164.5 50,164.5 ; 49,171 49,248.5 73.8,248.5 ; 55.5,164.5 93,164.5 93,232.5 ; 82.004,248.5 86.5,248.5 ; 92,248.5 93,248.5 93,247.5 ; 93,147.5 93,112 ; 93,152.5 93,155.46 ; 93,161 93,162 92,162 ; 93,237.5 93,242 ; 92,162 ccw(c92,162) 92,162 ; 93,112 ccw(c93,112) 93,112 ; 93,112 93,112
  text "Filter" at 14.5,203.5 h10
  text "Filter" at 61.5,203.5 h10
  text "DAC" at 39,134 h10
  text "A+5V" at 79.725,107.305 h1.2
  text "A+3.3V" at 52.625,106.705 h1.2
  text "A-12V" at 82.258,64.425 h1.2 r90
  text "A+12V" at 66.195,62.525 h1.2 r90
  text "D+3.3V" at 24.5,59.7 h1.2
  text "Audio-Streamer" at 10,35.5 h4.5 r90
  text ".ProjectName Rev. .Revision" at 13.5,35.5 h4 r90
  text ".ProjectAuthors" at 17,35.5 h4 r90
  text "VSUP" at 5.9,27.625 h2.49
  text "+15V" at 80.775,16.155 h1.2
  text "GND" at 80.775,13.655 h1.2
  text "-15V" at 80.775,11.305 h1.2
  text "+15V" at 2.279,5.391 h2.49 r45
  text "GND" at 4.754,2.916 h2.49 r45
  text "-15V" at 7.229,0.441 h2.49 r45
Bottom Overlay:
  lines w0.3: 13.5,73 37.5,73 ; 13.5,76 37.5,76 ; 13.5,79 37.5,79 ; 13.5,82 37.5,82 ; 13.5,85 37.5,85 ; 13.5,88 37.5,88 ; 13.5,91 37.5,91 ; 13.5,94 37.5,94 ; 13.5,97 37.5,97 ; 13.5,100 37.5,100 ; 13.5,103 37.5,103 ; 13.5,106 37.5,106 ; 25.5,70 25.5,109 ; 13.5,70 37.5,70 37.5,109 13.5,109 13.5,70
  text "1" at 12.5,106 h2.5
  text "MCLK" at 25.5,106 h2.5
  text "BCLK" at 37.5,106 h2.5
  text "2" at 41.5,106 h2.5
  text "LRCLK" at 25.5,103 h2.5
  text "SDATA" at 37.5,103 h2.5
  text "RESET" at 25.5,100 h2.5
  text "MUTE" at 37.5,100 h2.5
  text "SCL/SCLK" at 25.5,97 h2.5
  text "SDA/MOSI" at 37.5,97 h2.5
  text "MISO" at 25.5,94 h2.5
  text "CS" at 37.5,94 h2.5
  text "CLK_EN_1" at 25.5,91 h2.5
  text "CLK_EN_2" at 37.5,91 h2.5
  text "REF_CLK" at 25.5,88 h2.5
  text "NC" at 37.5,88 h2.5
  text "A±12V_EN" at 25.5,85 h2.5
  text "A+3.3V_EN" at 37.5,85 h2.5
  text "A+5_EN" at 25.5,82 h2.5
  text "A+12V_PG" at 37.5,82 h2.5
  text "A-12V_PG" at 25.5,79 h2.5
  text "A+5V_PG" at 37.5,79 h2.5
  text "A+3.3V_PG" at 25.5,76 h2.5
  text "D+3.3V_PG" at 37.5,76 h2.5
  text "COM_3.3V" at 25.5,73 h2.5
  text "COM_GND" at 37.5,73 h2.5
  text "25" at 12.5,70 h2.5
  text "DAC_3.3V" at 25.5,70 h2.5
  text "DAC_GND" at 37.5,70 h2.5
  text "26" at 41.5,70 h2.5
Top Solder:
  text "B" at 4.7,216.5 h12
Mechanical 1:
  the board outline again, w0.1
Drill Drawing:
  pour cut-out: 48,260.5 48,164.5 47,164.5 47,260.5